# KiCad board FPGA_DevBoard.kicad_pcb (continued)
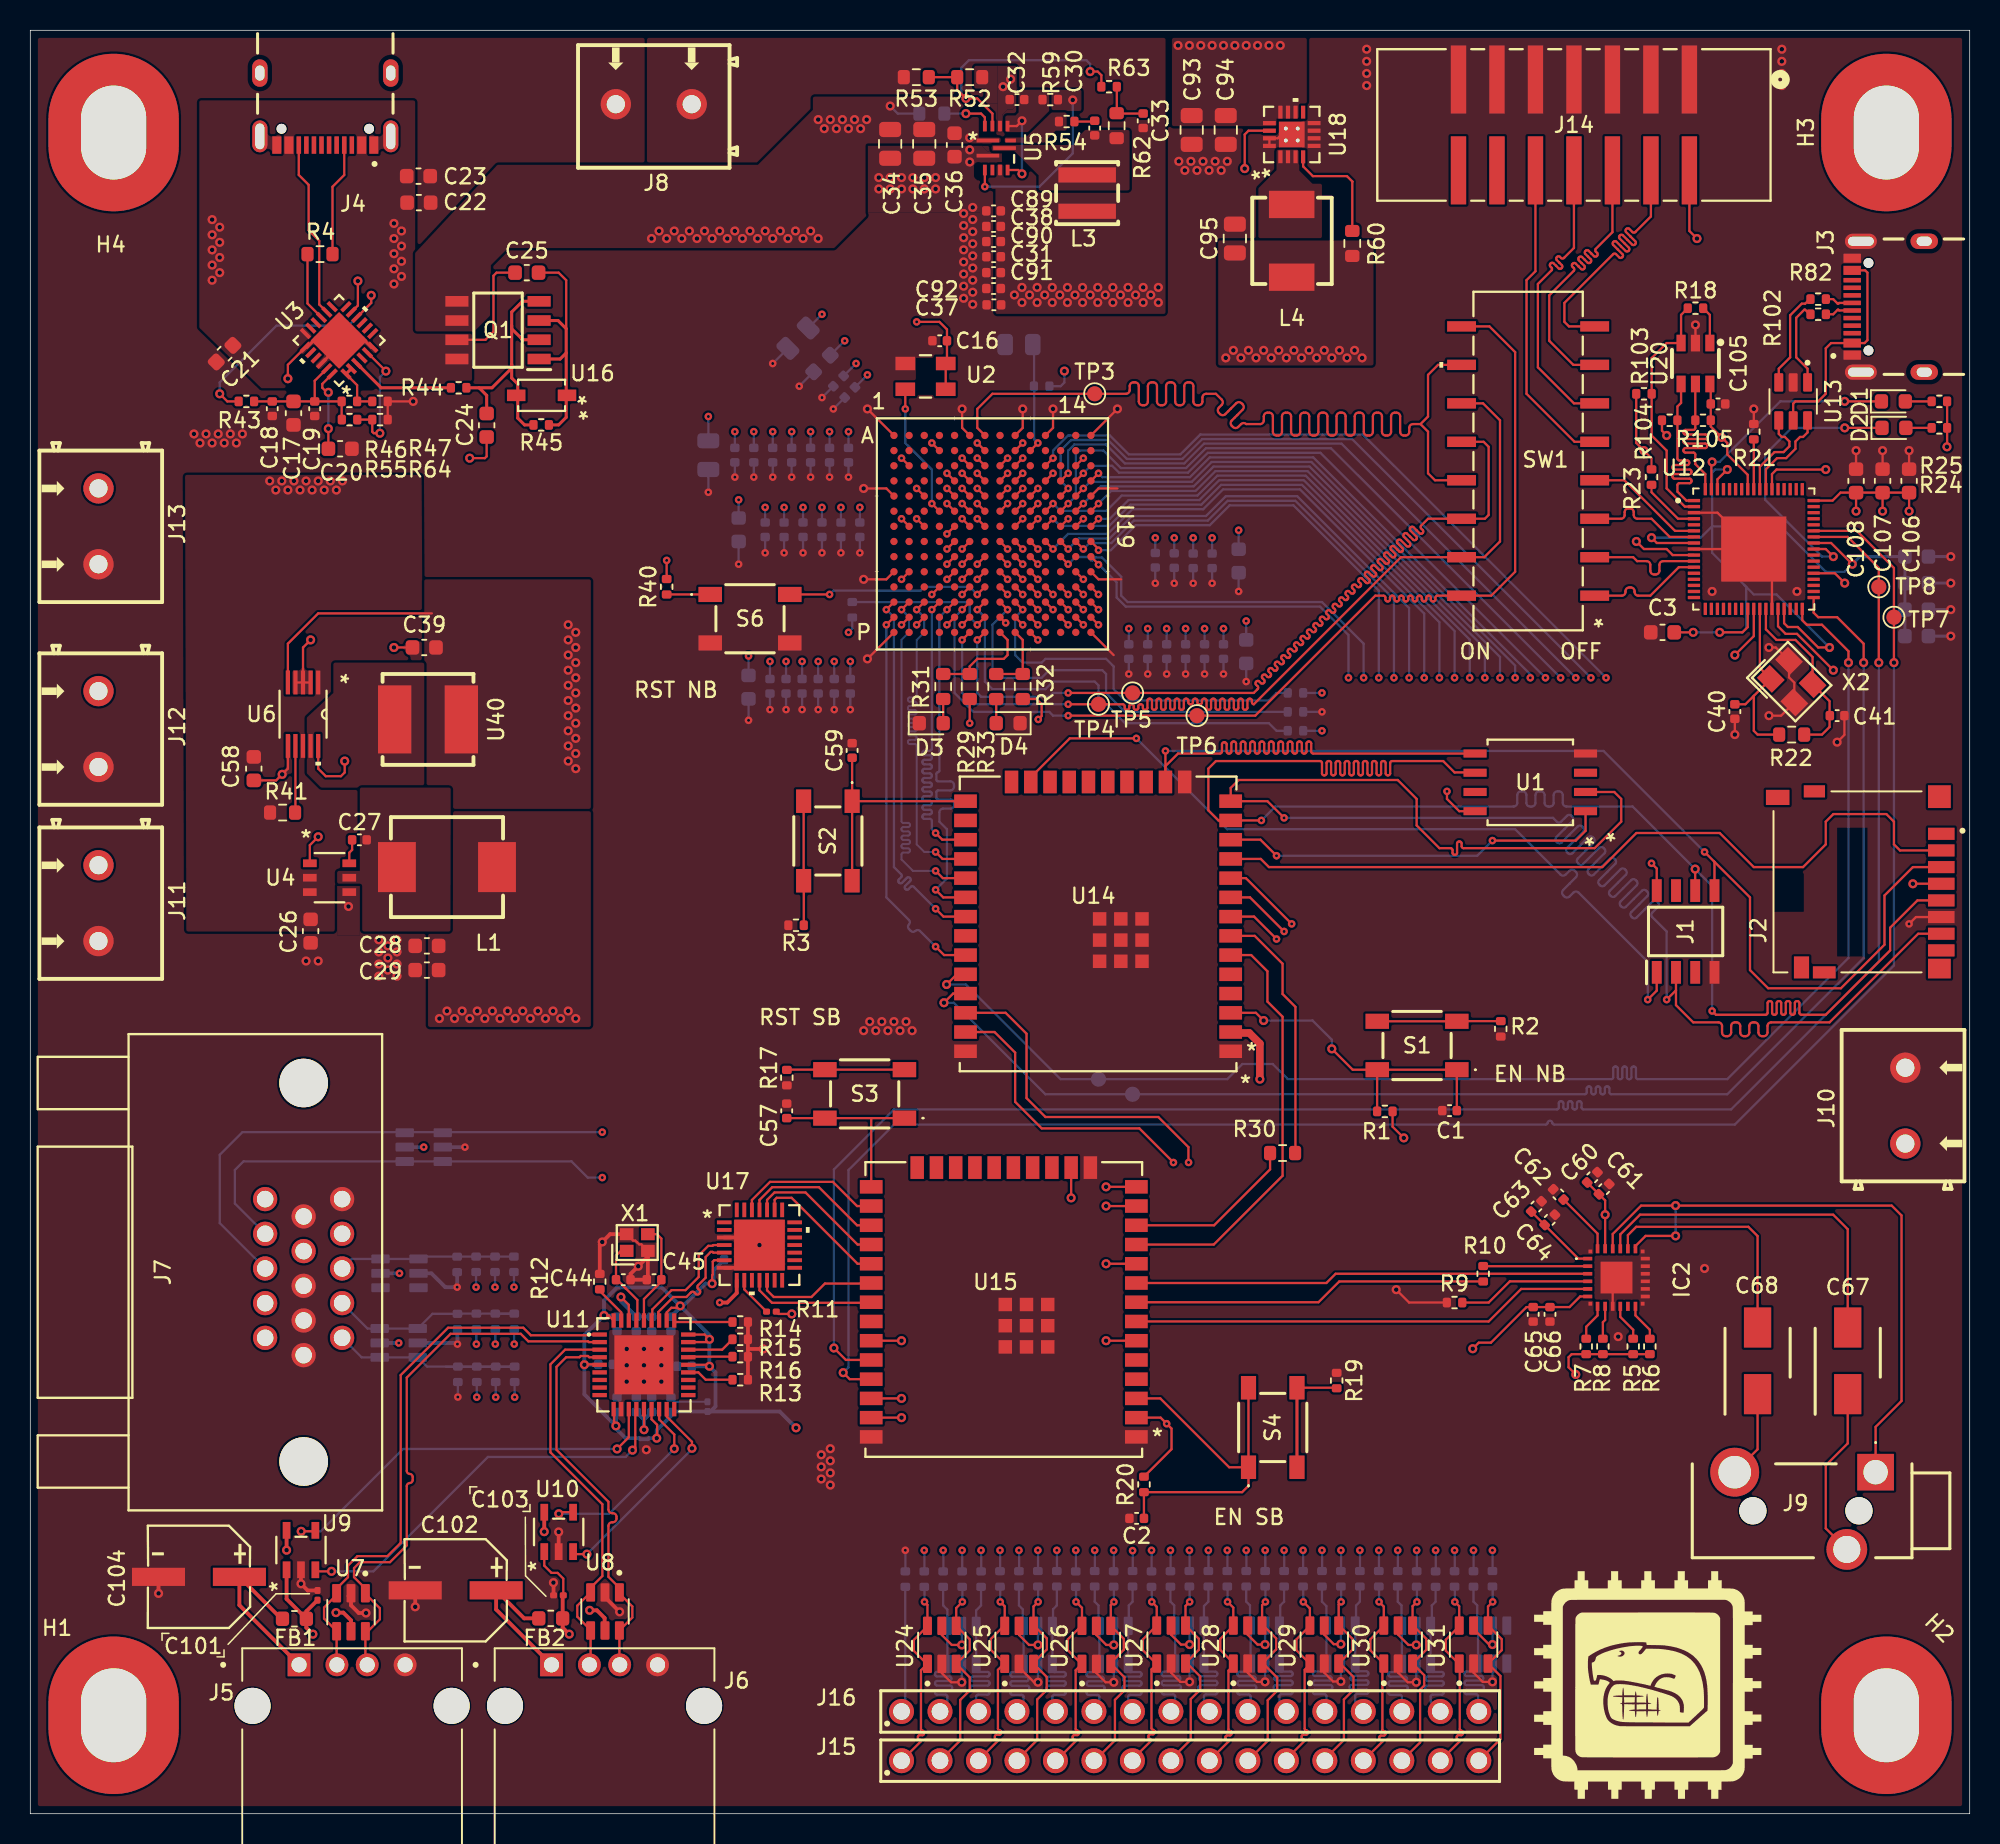
[diagram p0: board, top side]
## Routing (per net, layer and track width the routed paths; a pad name or vN(x,y) marks a point on that pad's centre or on a via; arc(x,y) is an arc through that point) (continued)
/USB_HUB/USB2_N: length 26
  Top signal w0.15: J6.2 36.98,9.91 U8.4 ; 36.99,12.12 36.1,13.01 36.1,13.73 36.99,14.63 ; U8.3 36.98,14.92 37.76,15.69 37.76,20.43 34.33,23.86 34.33,29.67 35.3,30.64 U11.3
/USB_HUB/USB2_P: length 26
  Top signal w0.15: 38.84,12.06 39.73,12.96 39.73,13.68 38.84,14.57 ; U8.1 38.88,14.92 38.16,15.64 38.16,19 arc(38.23,19.17) 38.4,19.24 38.45,19.24 arc(38.62,19.31) 38.69,19.48 38.69,19.6 arc(38.62,19.77) 38.45,19.84 38.4,19.84 arc(38.23,19.91) 38.16,20.08 38.16,20.6 34.73,24.03 34.73,29.5 35.36,30.14 36.25,30.14 36.33,30.22 36.81,30.22 36.89,30.14 U11.4 ; J6.3 38.88,9.85 U8.6
/USB_HUB/USB_HUB_DN: length 8.1
  Top signal w0.15: U11.30 41.5,32.9 41.45,32.95 41.45,33.13 42.44,34.11 43.3,34.11 43.62,34.43 arc(43.71,34.47) 43.81,34.43 43.93,34.31 arc(44.03,34.27) 44.13,34.31 44.18,34.36 arc(44.22,34.46) 44.18,34.56 44.06,34.68 arc(44.02,34.78) 44.06,34.88 44.57,35.39 44.57,36.75 44.91,37.09 45.03,37.09 45.08,37.04 U17.5
/USB_HUB/USB_HUB_DP: length 8.1
  Top signal w0.15: U11.31 41,32.9 41.05,32.95 41.05,33.29 42.33,34.57 43.25,34.57 44.11,35.44 44.11,36.86 44.74,37.49 45.03,37.49 45.08,37.54 U17.4
/USB_HUB/XTALIN: length 5.8
  Top signal w0.15: X1.1 38.98,37.16 38.66,36.84 C44.2 38.73,35.26 39.06,34.92 39.06,34.91 39.3,34.67 39.31,34.67 40.06,33.92 40.06,32.63 U11.33
/USB_HUB/XTALOUT: length 6.9
  Top signal w0.15: 40.76,38.26 41.36,38.26 41.65,37.97 C45.1 41.65,35.13 40.5,33.98 U11.32
/USB_IN/DN: length 6.1
  Top signal w0.15: U12.59 114.15,88.93 115.12,89.9 115.72,89.9 116.1,90.28 116.1,90.6 115.8,90.9 115.6,90.9 115.4,91.1 U13.4
/USB_IN/DP: length 6.1
  Top signal w0.15: U12.58 114.55,88.77 115.28,89.5 115.88,89.5 116.5,90.12 116.5,90.6 116.8,90.9 117,90.9 117.3,91.2 U13.6
/USB_IN/ESD_N: length 6.5
  Top signal w0.15: U13.3 115.4,95.41 116.15,96.16 116.15,98.93 116.92,99.7 117.14,99.7 117.44,100 R82.2
/USB_IN/ESD_P: length 5.9
  Top signal w0.15: R102.2 117.44,99 117.14,99.3 117.08,99.3 116.55,98.77 116.55,96.16 117.3,95.41 U13.1
/USB_IN/JTAG_TCK: length 21
  Top signal w0.15: 104.42,109 104.42,104.42 103.32,103.32 arc(103.28,103.23) 103.32,103.15 103.42,103.05 arc(103.45,102.96) 103.42,102.88 103.38,102.83 arc(103.29,102.8) 103.21,102.83 102.83,103.21 arc(102.75,103.24) 102.67,103.21 102.62,103.16 arc(102.59,103.08) 102.62,102.99 102.99,102.62 arc(103.03,102.54) 102.99,102.45 102.95,102.41 arc(102.87,102.38) 102.78,102.41 102.41,102.78 arc(102.33,102.82) 102.24,102.78 102.2,102.74 arc(102.16,102.65) 102.2,102.57 102.57,102.2 arc(102.6,102.11) 102.57,102.03 102.53,101.99 arc(102.44,101.95) 102.36,101.99 101.99,102.36 arc(101.9,102.39) 101.82,102.36 101.77,102.31 arc(101.74,102.23) 101.77,102.14 101.87,102.04 arc(101.91,101.96) 101.87,101.87 100.25,100.25 100.25,97.25 101.84,95.66 SW1.7
/USB_IN/JTAG_TDI: length 21.3
  Top signal w0.15: SW1.5 101.92,90.58 98.75,93.75 98.75,101.25 99.34,101.84 99.34,109
/USB_IN/JTAG_TDO: length 21
  Top signal w0.15: SW1.6 101.88,93.12 99.5,95.5 99.5,101 100.4,101.9 arc(100.44,101.99) 100.4,102.07 100.32,102.16 arc(100.28,102.25) 100.32,102.33 100.36,102.37 arc(100.44,102.41) 100.53,102.37 100.87,102.03 arc(100.96,101.99) 101.04,102.03 101.09,102.07 arc(101.12,102.15) 101.09,102.24 100.74,102.59 arc(100.7,102.67) 100.74,102.76 100.78,102.8 arc(100.87,102.83) 100.95,102.8 101.04,102.71 arc(101.12,102.67) 101.21,102.71 101.88,103.38 101.88,109
/USB_IN/JTAG_TMS: length 21
  Top signal w0.15: 106.96,109 106.96,105.46 105.92,104.42 arc(105.84,104.39) 105.75,104.42 105.52,104.65 arc(105.44,104.68) 105.35,104.65 105.31,104.61 arc(105.28,104.52) 105.31,104.44 105.94,103.81 arc(105.97,103.73) 105.94,103.64 105.89,103.6 arc(105.81,103.56) 105.72,103.6 105.1,104.22 arc(105.01,104.26) 104.93,104.22 104.89,104.18 arc(104.85,104.1) 104.89,104.01 105.51,103.39 arc(105.55,103.3) 105.51,103.22 105.47,103.18 arc(105.38,103.14) 105.3,103.18 104.68,103.8 arc(104.59,103.83) 104.51,103.8 104.46,103.76 arc(104.43,103.67) 104.46,103.59 105.09,102.96 arc(105.12,102.88) 105.09,102.79 105.04,102.75 arc(104.96,102.72) 104.87,102.75 104.65,102.98 arc(104.56,103.01) 104.48,102.98 101.25,99.75 101.25,98.5 101.55,98.2 SW1.8
/USB_IN/USB_N: length 1.9
  Top signal w0.15: R82.1 118.99,100 119.29,99.7 119.33,99.7 119.38,99.75 J3.A7
/USB_IN/USB_P: length 1.9
  Top signal w0.15: R102.1 118.99,99 119.29,99.3 119.33,99.3 119.38,99.25 J3.A6
/USB_IN/USB_TCK: length 7.9
  Top signal w0.15: SW1.4 105.21,88.04 108.55,84.7 U12.6
/USB_IN/USB_TDI: length 8
  Top signal w0.15: U12.7 108.2,84.3 107,85.5 106.07,85.5 arc(105.9,85.57) 105.83,85.74 105.83,85.94 arc(105.76,86.11) 105.59,86.18 105.47,86.18 arc(105.3,86.11) 105.23,85.94 105.23,85.74 arc(105.16,85.57) 104.99,85.5 SW1.3
/USB_IN/USB_TDO: length 8
  Top signal w0.15: SW1.2 105.79,82.96 106.05,82.7 106.68,82.7 arc(106.85,82.63) 106.92,82.46 106.92,82.06 arc(106.99,81.89) 107.16,81.82 107.28,81.82 arc(107.45,81.89) 107.52,82.06 107.52,82.46 arc(107.59,82.63) 107.76,82.7 U12.11
/USB_IN/USB_TMS: length 8
  Top signal w0.15: SW1.1 105.04,80.42 arc(105.21,80.49) 105.28,80.66 105.28,80.72 arc(105.35,80.89) 105.52,80.96 105.64,80.96 arc(105.81,80.89) 105.88,80.72 105.88,80.66 arc(105.95,80.49) 106.12,80.42 106.92,80.42 108.8,82.3 U12.12
/USB_IN/VCORE: length 63.6
  Top signal w0.15: U12.31 115.75,78.6 116,78.35 116.65,78.35 118,77 v2(118.75,77) ; v2(107,84.25) 107.35,83.9 U12.8 ; v2(112,88.75) 111.35,88.1 U12.66 ; U12.44 118.85,83.9 v2(120.25,82.5) ; C3.1 v2(109.75,78) ; U12.25 113.35,78.35 113,78 v2(111.5,78)
  Bottom signal w0.15: 113.12,81.12 113.25,81 113.25,78.25 113,78 v2(111.5,78) v2(109.75,78) ; 113.12,81.12 111,83.25 111,85 ; 113.12,81.12 113.75,80.5 115.25,80.5 v2(118.75,77) ; 111,85 111,88.55 111.2,88.75 v2(112,88.75) ; 111,85 115.5,85 118.5,82 119.75,82 v2(120.25,82.5) ; 111,85 110.25,84.25 v2(107,84.25)
  Bottom signal w0.2: v2(120.25,82.5) 120.75,83 123.47,83 ; C109.1 C112.1
/USB_IN/XTALIN: length 12.1
  Top signal w0.15: 113.75,73.81 113.19,73.25 C40.2 ; 113.75,73.81 113.75,71.5 114,71.25 R22.1 ; 113.75,73.81 X2.1 114.15,75.65 U12.27
/USB_IN/XTALOUT: length 12.2
  Top signal w0.15: R22.2 118.25,71.25 118.75,71.75 118.75,73.45 X2.3 117.63,76.37 116.5,77.5 115.25,77.5 114.55,78.2 U12.28
B0: length 98.9
  Top signal w0.15: U19.M11 v1(67.5,79.5)
  Top PWR w0.15: v1(29.42,34.77) 31.05,33.14 32.7,33.14 33.76,34.21 33.76,40.84 36.43,43.5 57.31,43.5 65.68,51.87 65.68,56.02 arc(65.73,56.14) 65.84,56.18 65.91,56.18 arc(66.03,56.23) 66.07,56.34 66.07,56.42 arc(66.03,56.54) 65.91,56.58 65.45,56.58 arc(65.34,56.63) 65.29,56.74 65.29,56.82 arc(65.34,56.94) 65.45,56.98 65.91,56.98 arc(66.03,57.03) 66.07,57.14 66.07,57.22 arc(66.03,57.34) 65.91,57.38 65.45,57.38 arc(65.34,57.43) 65.29,57.54 65.29,57.62 arc(65.34,57.74) 65.45,57.78 65.91,57.78 arc(66.03,57.83) 66.07,57.94 66.07,58.02 arc(66.03,58.14) 65.91,58.18 65.45,58.18 arc(65.34,58.23) 65.29,58.34 65.29,58.42 arc(65.34,58.54) 65.45,58.58 65.91,58.58 arc(66.03,58.63) 66.07,58.74 66.07,58.82 arc(66.03,58.94) 65.91,58.98 65.45,58.98 arc(65.34,59.03) 65.29,59.14 65.29,59.22 arc(65.34,59.34) 65.45,59.38 65.91,59.38 arc(66.03,59.43) 66.07,59.54 66.07,59.62 arc(66.03,59.74) 65.91,59.78 65.45,59.78 arc(65.34,59.83) 65.29,59.94 65.29,60.02 arc(65.34,60.14) 65.45,60.18 65.91,60.18 arc(66.03,60.23) 66.07,60.34 66.07,60.42 arc(66.03,60.54) 65.91,60.58 65.45,60.58 arc(65.34,60.63) 65.29,60.74 65.29,60.82 arc(65.34,60.94) 65.45,60.98 65.91,60.98 arc(66.03,61.03) 66.07,61.14 66.07,61.22 arc(66.03,61.34) 65.91,61.38 65.45,61.38 arc(65.34,61.43) 65.29,61.54 65.29,61.62 arc(65.34,61.74) 65.45,61.78 65.91,61.78 arc(66.03,61.83) 66.07,61.94 66.07,62.02 arc(66.03,62.14) 65.91,62.18 65.45,62.18 arc(65.34,62.23) 65.29,62.34 65.29,62.42 arc(65.34,62.54) 65.45,62.58 65.91,62.58 arc(66.03,62.63) 66.07,62.74 66.07,62.82 arc(66.03,62.94) 65.91,62.98 65.45,62.98 arc(65.34,63.03) 65.29,63.14 65.29,63.22 arc(65.34,63.34) 65.45,63.38 65.91,63.38 arc(66.03,63.43) 66.07,63.54 66.07,63.62 arc(66.03,63.74) 65.91,63.78 65.45,63.78 arc(65.34,63.83) 65.29,63.94 65.29,64.02 arc(65.34,64.14) 65.45,64.18 65.91,64.18 arc(66.03,64.23) 66.07,64.34 66.07,64.42 arc(66.03,64.54) 65.91,64.58 65.45,64.58 arc(65.34,64.63) 65.29,64.74 65.29,64.82 arc(65.34,64.94) 65.45,64.98 65.91,64.98 arc(66.03,65.03) 66.07,65.14 66.07,65.22 arc(66.03,65.34) 65.91,65.38 65.45,65.38 arc(65.34,65.43) 65.29,65.54 65.29,65.62 arc(65.34,65.74) 65.45,65.78 65.91,65.78 arc(66.03,65.83) 66.07,65.94 66.07,66.02 arc(66.03,66.14) 65.91,66.18 65.45,66.18 arc(65.34,66.23) 65.29,66.34 65.29,66.42 arc(65.34,66.54) 65.45,66.58 65.91,66.58 arc(66.03,66.63) 66.07,66.74 66.07,66.82 arc(66.03,66.94) 65.91,66.98 65.45,66.98 arc(65.34,67.03) 65.29,67.14 65.29,67.22 arc(65.34,67.34) 65.45,67.38 65.91,67.38 arc(66.03,67.43) 66.07,67.54 66.07,67.62 arc(66.03,67.74) 65.91,67.78 65.45,67.78 arc(65.34,67.83) 65.29,67.94 65.29,68.02 arc(65.34,68.14) 65.45,68.18 65.91,68.18 arc(66.03,68.23) 66.07,68.34 66.07,68.42 arc(66.03,68.54) 65.91,68.58 65.84,68.58 arc(65.73,68.63) 65.68,68.74 65.68,72.68 68,75 68,79 v1(67.5,79.5)
  Bottom signal w0.15: R28.1 v1(29.42,34.77)
B1: length 98.9
  Top signal w0.15: U19.M10 v1(66.5,79.5)
  Top PWR w0.15: v1(66.5,79.5) 67.5,78.5 67.5,75 64.28,71.78 64.28,68.63 arc(64.33,68.52) 64.44,68.47 64.52,68.47 arc(64.63,68.42) 64.68,68.31 64.68,68.23 arc(64.63,68.12) 64.52,68.07 64.04,68.07 arc(63.93,68.02) 63.88,67.91 63.88,67.83 arc(63.93,67.72) 64.04,67.67 64.52,67.67 arc(64.63,67.62) 64.68,67.51 64.68,67.43 arc(64.63,67.32) 64.52,67.27 64.04,67.27 arc(63.93,67.22) 63.88,67.11 63.88,67.03 arc(63.93,66.92) 64.04,66.87 64.52,66.87 arc(64.63,66.82) 64.68,66.71 64.68,66.63 arc(64.63,66.52) 64.52,66.47 64.04,66.47 arc(63.93,66.42) 63.88,66.31 63.88,66.23 arc(63.93,66.12) 64.04,66.07 64.52,66.07 arc(64.63,66.02) 64.68,65.91 64.68,65.83 arc(64.63,65.72) 64.52,65.67 64.04,65.67 arc(63.93,65.62) 63.88,65.51 63.88,65.43 arc(63.93,65.32) 64.04,65.27 64.52,65.27 arc(64.63,65.22) 64.68,65.11 64.68,65.03 arc(64.63,64.92) 64.52,64.87 64.04,64.87 arc(63.93,64.82) 63.88,64.71 63.88,64.63 arc(63.93,64.52) 64.04,64.47 64.52,64.47 arc(64.63,64.42) 64.68,64.31 64.68,64.23 arc(64.63,64.12) 64.52,64.07 64.04,64.07 arc(63.93,64.02) 63.88,63.91 63.88,63.83 arc(63.93,63.72) 64.04,63.67 64.52,63.67 arc(64.63,63.62) 64.68,63.51 64.68,63.43 arc(64.63,63.32) 64.52,63.27 64.04,63.27 arc(63.93,63.22) 63.88,63.11 63.88,63.03 arc(63.93,62.92) 64.04,62.87 64.52,62.87 arc(64.63,62.82) 64.68,62.71 64.68,62.63 arc(64.63,62.52) 64.52,62.47 64.04,62.47 arc(63.93,62.42) 63.88,62.31 63.88,62.23 arc(63.93,62.12) 64.04,62.07 64.52,62.07 arc(64.63,62.02) 64.68,61.91 64.68,61.83 arc(64.63,61.72) 64.52,61.67 64.04,61.67 arc(63.93,61.62) 63.88,61.51 63.88,61.43 arc(63.93,61.32) 64.04,61.27 64.52,61.27 arc(64.63,61.22) 64.68,61.11 64.68,61.03 arc(64.63,60.92) 64.52,60.87 64.04,60.87 arc(63.93,60.82) 63.88,60.71 63.88,60.63 arc(63.93,60.52) 64.04,60.47 64.52,60.47 arc(64.63,60.42) 64.68,60.31 64.68,60.23 arc(64.63,60.12) 64.52,60.07 64.04,60.07 arc(63.93,60.02) 63.88,59.91 63.88,59.83 arc(63.93,59.72) 64.04,59.67 64.52,59.67 arc(64.63,59.62) 64.68,59.51 64.68,59.43 arc(64.63,59.32) 64.52,59.27 64.04,59.27 arc(63.93,59.22) 63.88,59.11 63.88,59.03 arc(63.93,58.92) 64.04,58.87 64.52,58.87 arc(64.63,58.82) 64.68,58.71 64.68,58.63 arc(64.63,58.52) 64.52,58.47 64.04,58.47 arc(63.93,58.42) 63.88,58.31 63.88,58.23 arc(63.93,58.12) 64.04,58.07 64.52,58.07 arc(64.63,58.02) 64.68,57.91 64.68,57.83 arc(64.63,57.72) 64.52,57.67 64.04,57.67 arc(63.93,57.62) 63.88,57.51 63.88,57.43 arc(63.93,57.32) 64.04,57.27 64.52,57.27 arc(64.63,57.22) 64.68,57.11 64.68,57.03 arc(64.63,56.92) 64.52,56.87 64.04,56.87 arc(63.93,56.82) 63.88,56.71 63.88,56.63 arc(63.93,56.52) 64.04,56.47 64.52,56.47 arc(64.63,56.42) 64.68,56.31 64.68,56.23 arc(64.63,56.12) 64.52,56.07 64.04,56.07 arc(63.93,56.02) 63.88,55.91 63.88,55.83 arc(63.93,55.72) 64.04,55.67 64.52,55.67 arc(64.63,55.62) 64.68,55.51 64.68,55.43 arc(64.63,55.32) 64.52,55.27 64.04,55.27 arc(63.93,55.22) 63.88,55.11 63.88,55.03 arc(63.93,54.92) 64.04,54.87 64.52,54.87 arc(64.63,54.82) 64.68,54.71 64.68,54.63 arc(64.63,54.52) 64.52,54.47 64.44,54.47 arc(64.33,54.42) 64.28,54.31 64.28,52.15 56.13,44 36.17,44 33.03,40.86 33.03,34.54 32.57,34.08 31.36,34.08 v1(30.67,34.77)
  Bottom signal w0.15: R35.1 v1(30.67,34.77)
B2: length 98.9
  Top signal w0.15: U19.N10 v1(66.5,78.5)
  Top PWR w0.15: v1(66.5,78.5) 67,78 67,75 62.88,70.88 62.88,68.55 arc(62.92,68.44) 63.04,68.39 63.11,68.39 arc(63.22,68.35) 63.27,68.23 63.27,68.15 arc(63.22,68.04) 63.11,67.99 62.64,67.99 arc(62.53,67.95) 62.48,67.83 62.48,67.75 arc(62.53,67.64) 62.64,67.59 63.11,67.59 arc(63.22,67.55) 63.27,67.43 63.27,67.35 arc(63.22,67.24) 63.11,67.19 62.64,67.19 arc(62.53,67.15) 62.48,67.03 62.48,66.95 arc(62.53,66.84) 62.64,66.79 63.11,66.79 arc(63.22,66.75) 63.27,66.63 63.27,66.55 arc(63.22,66.44) 63.11,66.39 62.64,66.39 arc(62.53,66.35) 62.48,66.23 62.48,66.15 arc(62.53,66.04) 62.64,65.99 63.11,65.99 arc(63.22,65.95) 63.27,65.83 63.27,65.75 arc(63.22,65.64) 63.11,65.59 62.64,65.59 arc(62.53,65.55) 62.48,65.43 62.48,65.35 arc(62.53,65.24) 62.64,65.19 63.11,65.19 arc(63.22,65.15) 63.27,65.03 63.27,64.95 arc(63.22,64.84) 63.11,64.79 62.64,64.79 arc(62.53,64.75) 62.48,64.63 62.48,64.55 arc(62.53,64.44) 62.64,64.39 63.11,64.39 arc(63.22,64.35) 63.27,64.23 63.27,64.15 arc(63.22,64.04) 63.11,63.99 62.64,63.99 arc(62.53,63.95) 62.48,63.83 62.48,63.75 arc(62.53,63.64) 62.64,63.59 63.11,63.59 arc(63.22,63.55) 63.27,63.43 63.27,63.35 arc(63.22,63.24) 63.11,63.19 62.64,63.19 arc(62.53,63.15) 62.48,63.03 62.48,62.95 arc(62.53,62.84) 62.64,62.79 63.11,62.79 arc(63.22,62.75) 63.27,62.63 63.27,62.55 arc(63.22,62.44) 63.11,62.39 62.64,62.39 arc(62.53,62.35) 62.48,62.23 62.48,62.15 arc(62.53,62.04) 62.64,61.99 63.11,61.99 arc(63.22,61.95) 63.27,61.83 63.27,61.75 arc(63.22,61.64) 63.11,61.59 62.64,61.59 arc(62.53,61.55) 62.48,61.43 62.48,61.35 arc(62.53,61.24) 62.64,61.19 63.11,61.19 arc(63.22,61.15) 63.27,61.03 63.27,60.95 arc(63.22,60.84) 63.11,60.79 62.64,60.79 arc(62.53,60.75) 62.48,60.63 62.48,60.55 arc(62.53,60.44) 62.64,60.39 63.11,60.39 arc(63.22,60.35) 63.27,60.23 63.27,60.15 arc(63.22,60.04) 63.11,59.99 62.64,59.99 arc(62.53,59.95) 62.48,59.83 62.48,59.75 arc(62.53,59.64) 62.64,59.59 63.11,59.59 arc(63.22,59.55) 63.27,59.43 63.27,59.35 arc(63.22,59.24) 63.11,59.19 62.64,59.19 arc(62.53,59.15) 62.48,59.03 62.48,58.95 arc(62.53,58.84) 62.64,58.79 63.11,58.79 arc(63.22,58.75) 63.27,58.63 63.27,58.55 arc(63.22,58.44) 63.11,58.39 62.64,58.39 arc(62.53,58.35) 62.48,58.23 62.48,58.15 arc(62.53,58.04) 62.64,57.99 63.11,57.99 arc(63.22,57.95) 63.27,57.83 63.27,57.75 arc(63.22,57.64) 63.11,57.59 62.64,57.59 arc(62.53,57.55) 62.48,57.43 62.48,57.35 arc(62.53,57.24) 62.64,57.19 63.11,57.19 arc(63.22,57.15) 63.27,57.03 63.27,56.95 arc(63.22,56.84) 63.11,56.79 62.64,56.79 arc(62.53,56.75) 62.48,56.63 62.48,56.55 arc(62.53,56.44) 62.64,56.39 63.11,56.39 arc(63.22,56.35) 63.27,56.23 63.27,56.15 arc(63.22,56.04) 63.11,55.99 62.64,55.99 arc(62.53,55.95) 62.48,55.83 62.48,55.75 arc(62.53,55.64) 62.64,55.59 63.11,55.59 arc(63.22,55.55) 63.27,55.43 63.27,55.35 arc(63.22,55.24) 63.11,55.19 62.64,55.19 arc(62.53,55.15) 62.48,55.03 62.48,54.95 arc(62.53,54.84) 62.64,54.79 63.11,54.79 arc(63.22,54.75) 63.27,54.63 63.27,54.55 arc(63.22,54.44) 63.11,54.39 62.64,54.39 arc(62.53,54.35) 62.48,54.23 62.48,54.15 arc(62.53,54.04) 62.64,53.99 63.11,53.99 arc(63.22,53.95) 63.27,53.83 63.27,53.75 arc(63.22,53.64) 63.11,53.59 62.64,53.59 arc(62.53,53.55) 62.48,53.43 62.48,53.35 arc(62.53,53.24) 62.64,53.19 62.72,53.19 arc(62.83,53.15) 62.88,53.03 62.88,52.53 62.56,52.21 arc(62.51,52.09) 62.56,51.98 62.61,51.93 arc(62.66,51.82) 62.61,51.7 62.56,51.65 arc(62.44,51.6) 62.33,51.65 62,51.98 arc(61.89,52.02) 61.77,51.98 61.72,51.92 arc(61.67,51.81) 61.72,51.69 62.05,51.36 arc(62.09,51.25) 62.05,51.14 61.99,51.08 arc(61.88,51.03) 61.76,51.08 61.43,51.41 arc(61.32,51.46) 61.21,51.41 61.15,51.35 arc(61.1,51.24) 61.15,51.13 61.48,50.8 arc(61.53,50.68) 61.48,50.57 61.42,50.51 arc(61.31,50.47) 61.2,50.51 61.15,50.57 arc(61.03,50.61) 60.92,50.57 54.85,44.5 35.98,44.5 31.92,40.44 v1(31.92,34.77)
  Bottom signal w0.15: R36.1 v1(31.92,34.77)
FPGA_TCK: length 78.9
  Top signal w0.15: 91.75,91.75 92.25,91.25 92.25,88.5 92.71,88.04 SW1.13 ; 91.75,91.75 91.25,91.75 arc(91.08,91.68) 91.01,91.51 91.01,91.23 arc(90.94,91.06) 90.77,90.99 90.65,90.99 arc(90.48,91.06) 90.41,91.23 90.41,92.27 arc(90.34,92.44) 90.17,92.51 90.05,92.51 arc(89.88,92.44) 89.81,92.27 89.81,91.23 arc(89.74,91.06) 89.57,90.99 89.45,90.99 arc(89.28,91.06) 89.21,91.23 89.21,92.27 arc(89.14,92.44) 88.97,92.51 88.85,92.51 arc(88.68,92.44) 88.61,92.27 88.61,91.23 arc(88.54,91.06) 88.37,90.99 88.25,90.99 arc(88.08,91.06) 88.01,91.23 88.01,92.27 arc(87.94,92.44) 87.77,92.51 87.65,92.51 arc(87.48,92.44) 87.41,92.27 87.41,91.23 arc(87.34,91.06) 87.17,90.99 87.05,90.99 arc(86.88,91.06) 86.81,91.23 86.81,92.27 arc(86.74,92.44) 86.57,92.51 86.45,92.51 arc(86.28,92.44) 86.21,92.27 86.21,91.23 arc(86.14,91.06) 85.97,90.99 85.85,90.99 arc(85.68,91.06) 85.61,91.23 85.61,92.27 arc(85.54,92.44) 85.37,92.51 85.25,92.51 arc(85.08,92.44) 85.01,92.27 85.01,91.23 arc(84.94,91.06) 84.77,90.99 84.65,90.99 arc(84.48,91.06) 84.41,91.23 84.41,92.27 arc(84.34,92.44) 84.17,92.51 84.05,92.51 arc(83.88,92.44) 83.81,92.27 83.81,91.23 arc(83.74,91.06) 83.57,90.99 83.45,90.99 arc(83.28,91.06) 83.21,91.23 83.21,92.27 arc(83.14,92.44) 82.97,92.51 82.85,92.51 arc(82.68,92.44) 82.61,92.27 82.61,91.23 arc(82.54,91.06) 82.37,90.99 82.25,90.99 arc(82.08,91.06) 82.01,91.23 82.01,92.27 arc(81.94,92.44) 81.77,92.51 81.65,92.51 arc(81.48,92.44) 81.41,92.27 81.41,91.99 arc(81.34,91.82) 81.17,91.75 80.25,91.75 arc(80.08,91.82) 79.91,91.75 79.72,91.56 arc(79.55,91.48) 79.38,91.56 79.29,91.64 arc(79.22,91.81) 79.29,91.98 80.02,92.71 arc(80.09,92.88) 80.02,93.05 79.94,93.13 arc(79.77,93.2) 79.6,93.13 78.87,92.4 arc(78.7,92.33) 78.53,92.4 78.44,92.49 arc(78.37,92.66) 78.44,92.83 78.64,93.02 arc(78.71,93.19) 78.64,93.36 78.25,93.75 77.6,93.75 arc(77.43,93.68) 77.36,93.51 77.36,93.23 arc(77.29,93.06) 77.12,92.99 77,92.99 arc(76.83,93.06) 76.76,93.23 76.76,94.27 arc(76.69,94.44) 76.52,94.51 76.4,94.51 arc(76.23,94.44) 76.16,94.27 76.16,93.23 arc(76.09,93.06) 75.92,92.99 75.8,92.99 arc(75.63,93.06) 75.56,93.23 75.56,94.27 arc(75.49,94.44) 75.32,94.51 75.2,94.51 arc(75.03,94.44) 74.96,94.27 74.96,93.23 arc(74.89,93.06) 74.72,92.99 74.6,92.99 arc(74.43,93.06) 74.36,93.23 74.36,94.27 arc(74.29,94.44) 74.12,94.51 74,94.51 arc(73.83,94.44) 73.76,94.27 73.76,93.23 arc(73.69,93.06) 73.52,92.99 73.4,92.99 arc(73.23,93.06) 73.16,93.23 73.16,94.27 arc(73.09,94.44) 72.92,94.51 72.8,94.51 arc(72.63,94.44) 72.56,94.27 72.56,93.99 arc(72.49,93.82) 72.32,93.75 63.5,93.75 62.5,92.75 62.5,91.5 U19.A7 ; 91.75,91.75 92.25,92.25 92.25,95 92.91,95.66 SW1.10
FPGA_TDI: length 70
  Top signal w0.15: U19.P7 v1(62.5,77.5) ; SW1.12 95.92,90.58 96.25,90.25 96.25,85.75 96,85.5 SW1.14 92.25,85.5 91.79,85.04 arc(91.75,84.95) 91.79,84.87 91.91,84.75 arc(91.94,84.66) 91.91,84.58 91.87,84.54 arc(91.78,84.5) 91.7,84.54 91.29,84.95 arc(91.2,84.98) 91.12,84.95 91.07,84.9 arc(91.04,84.82) 91.07,84.73 91.48,84.32 arc(91.52,84.24) 91.48,84.15 91.44,84.11 arc(91.36,84.08) 91.27,84.11 90.86,84.52 arc(90.78,84.56) 90.69,84.52 90.65,84.48 arc(90.61,84.4) 90.65,84.31 91.06,83.9 arc(91.1,83.81) 91.06,83.73 91.02,83.69 arc(90.93,83.65) 90.85,83.69 90.44,84.1 arc(90.35,84.13) 90.27,84.1 90.22,84.06 arc(90.19,83.97) 90.22,83.89 90.57,83.55 arc(90.6,83.46) 90.57,83.38 90.52,83.33 arc(90.44,83.3) 90.35,83.33 90.01,83.67 arc(89.93,83.71) 89.84,83.67 89.8,83.63 arc(89.77,83.55) 89.8,83.46 90.08,83.18 arc(90.11,83.11) 90.08,83.03 90.01,82.97 arc(89.94,82.94) 89.87,82.97 89.59,83.25 arc(89.5,83.28) 89.42,83.25 89.38,83.21 arc(89.34,83.12) 89.38,83.04 89.66,82.76 arc(89.69,82.68) 89.66,82.61 89.59,82.55 arc(89.52,82.52) 89.44,82.55 89.16,82.83 arc(89.08,82.86) 88.99,82.83 88.95,82.78 arc(88.92,82.7) 88.95,82.61 89.23,82.33 arc(89.26,82.26) 89.23,82.19 89.17,82.12 arc(89.09,82.09) 89.02,82.12 88.74,82.4 arc(88.65,82.44) 88.57,82.4 88.53,82.36 arc(88.49,82.27) 88.53,82.19 88.81,81.91 arc(88.84,81.84) 88.81,81.76 88.74,81.7 arc(88.67,81.67) 88.59,81.7 88.32,81.98 arc(88.23,82.01) 88.15,81.98 88.1,81.93 arc(88.07,81.85) 88.1,81.76 88.38,81.49 arc(88.41,81.41) 88.38,81.34 88.32,81.27 arc(88.24,81.24) 88.17,81.27 87.89,81.55 arc(87.81,81.59) 87.72,81.55 87.68,81.51 arc(87.64,81.43) 87.68,81.34 87.8,81.22 arc(87.83,81.13) 87.8,81.05 87.76,81.01 arc(87.67,80.97) 87.59,81.01 87.47,81.13 arc(87.38,81.16) 87.3,81.13 87.25,81.09 arc(87.22,81) 87.25,80.92 87.38,80.8 arc(87.41,80.71) 87.38,80.63 87.33,80.58 arc(87.25,80.55) 87.16,80.58 87.04,80.7 arc(86.96,80.74) 86.87,80.7 86.83,80.66 arc(86.8,80.58) 86.83,80.49 86.95,80.37 arc(86.99,80.29) 86.95,80.2 86.91,80.16 arc(86.82,80.12) 86.74,80.16 86.62,80.28 arc(86.53,80.31) 86.45,80.28 86.41,80.24 arc(86.37,80.15) 86.41,80.07 86.53,79.95 arc(86.56,79.86) 86.53,79.78 86.48,79.73 arc(86.4,79.7) 86.31,79.73 86.19,79.86 arc(86.11,79.89) 86.02,79.86 85.98,79.81 arc(85.95,79.73) 85.98,79.64 86.1,79.52 arc(86.14,79.44) 86.1,79.35 86.06,79.31 arc(85.98,79.28) 85.89,79.31 85.77,79.43 arc(85.68,79.47) 85.6,79.43 85.56,79.39 arc(85.52,79.3) 85.56,79.22 85.68,79.1 arc(85.71,79.01) 85.68,78.93 85.64,78.89 arc(85.55,78.85) 85.47,78.89 85.35,79.01 arc(85.26,79.04) 85.18,79.01 85.13,78.96 arc(85.1,78.88) 85.13,78.79 85.25,78.67 arc(85.29,78.59) 85.25,78.5 85.21,78.46 arc(85.13,78.43) 85.04,78.46 84.92,78.58 arc(84.84,78.62) 84.75,78.58 84.71,78.54 arc(84.67,78.46) 84.71,78.37 84.83,78.25 arc(84.87,78.16) 84.83,78.08 84.79,78.04 arc(84.7,78) 84.62,78.04 84.5,78.16 arc(84.41,78.19) 84.33,78.16 84.28,78.12 arc(84.25,78.03) 84.28,77.95 84.41,77.83 arc(84.44,77.74) 84.41,77.66 84.36,77.61 arc(84.28,77.58) 84.19,77.61 84.07,77.73 arc(83.99,77.77) 83.9,77.73 83.86,77.69 arc(83.83,77.61) 83.86,77.52 83.98,77.4 arc(84.02,77.32) 83.98,77.23 83.94,77.19 arc(83.85,77.15) 83.77,77.19 83.65,77.31 arc(83.56,77.35) 83.48,77.31 83.44,77.27 arc(83.4,77.18) 83.44,77.1 83.56,76.98 arc(83.59,76.89) 83.56,76.81 83.51,76.76 arc(83.43,76.73) 83.34,76.76 83.22,76.89 arc(83.14,76.92) 83.05,76.89 83.01,76.84 arc(82.98,76.76) 83.01,76.67 83.13,76.55 arc(83.17,76.47) 83.13,76.38 83.09,76.34 arc(83.01,76.31) 82.92,76.34 82.8,76.46 arc(82.71,76.5) 82.63,76.46 82.59,76.42 arc(82.55,76.33) 82.59,76.25 82.71,76.13 arc(82.74,76.04) 82.71,75.96 82.67,75.92 arc(82.58,75.88) 82.5,75.92 82.38,76.04 arc(82.29,76.07) 82.21,76.04 82.16,75.99 arc(82.13,75.91) 82.16,75.82 82.28,75.7 arc(82.32,75.62) 82.28,75.53 82.24,75.49 arc(82.16,75.46) 82.07,75.49 81.95,75.61 arc(81.87,75.65) 81.78,75.61 81.74,75.57 arc(81.7,75.49) 81.74,75.4 81.86,75.28 arc(81.9,75.19) 81.86,75.11 81.82,75.07 arc(81.73,75.03) 81.65,75.07 81.53,75.19 arc(81.44,75.22) 81.36,75.19 81.31,75.15 arc(81.28,75.06) 81.31,74.98 81.44,74.86 arc(81.47,74.77) 81.44,74.69 81.39,74.64 arc(81.31,74.61) 81.22,74.64 81.1,74.76 arc(81.02,74.8) 80.93,74.76 80.89,74.72 arc(80.86,74.64) 80.89,74.55 81.01,74.43 arc(81.05,74.35) 81.01,74.26 80.75,74 v1(68.5,74)